# KiCad board RP2040-Breadstick Panel.kicad_pcb (continued)
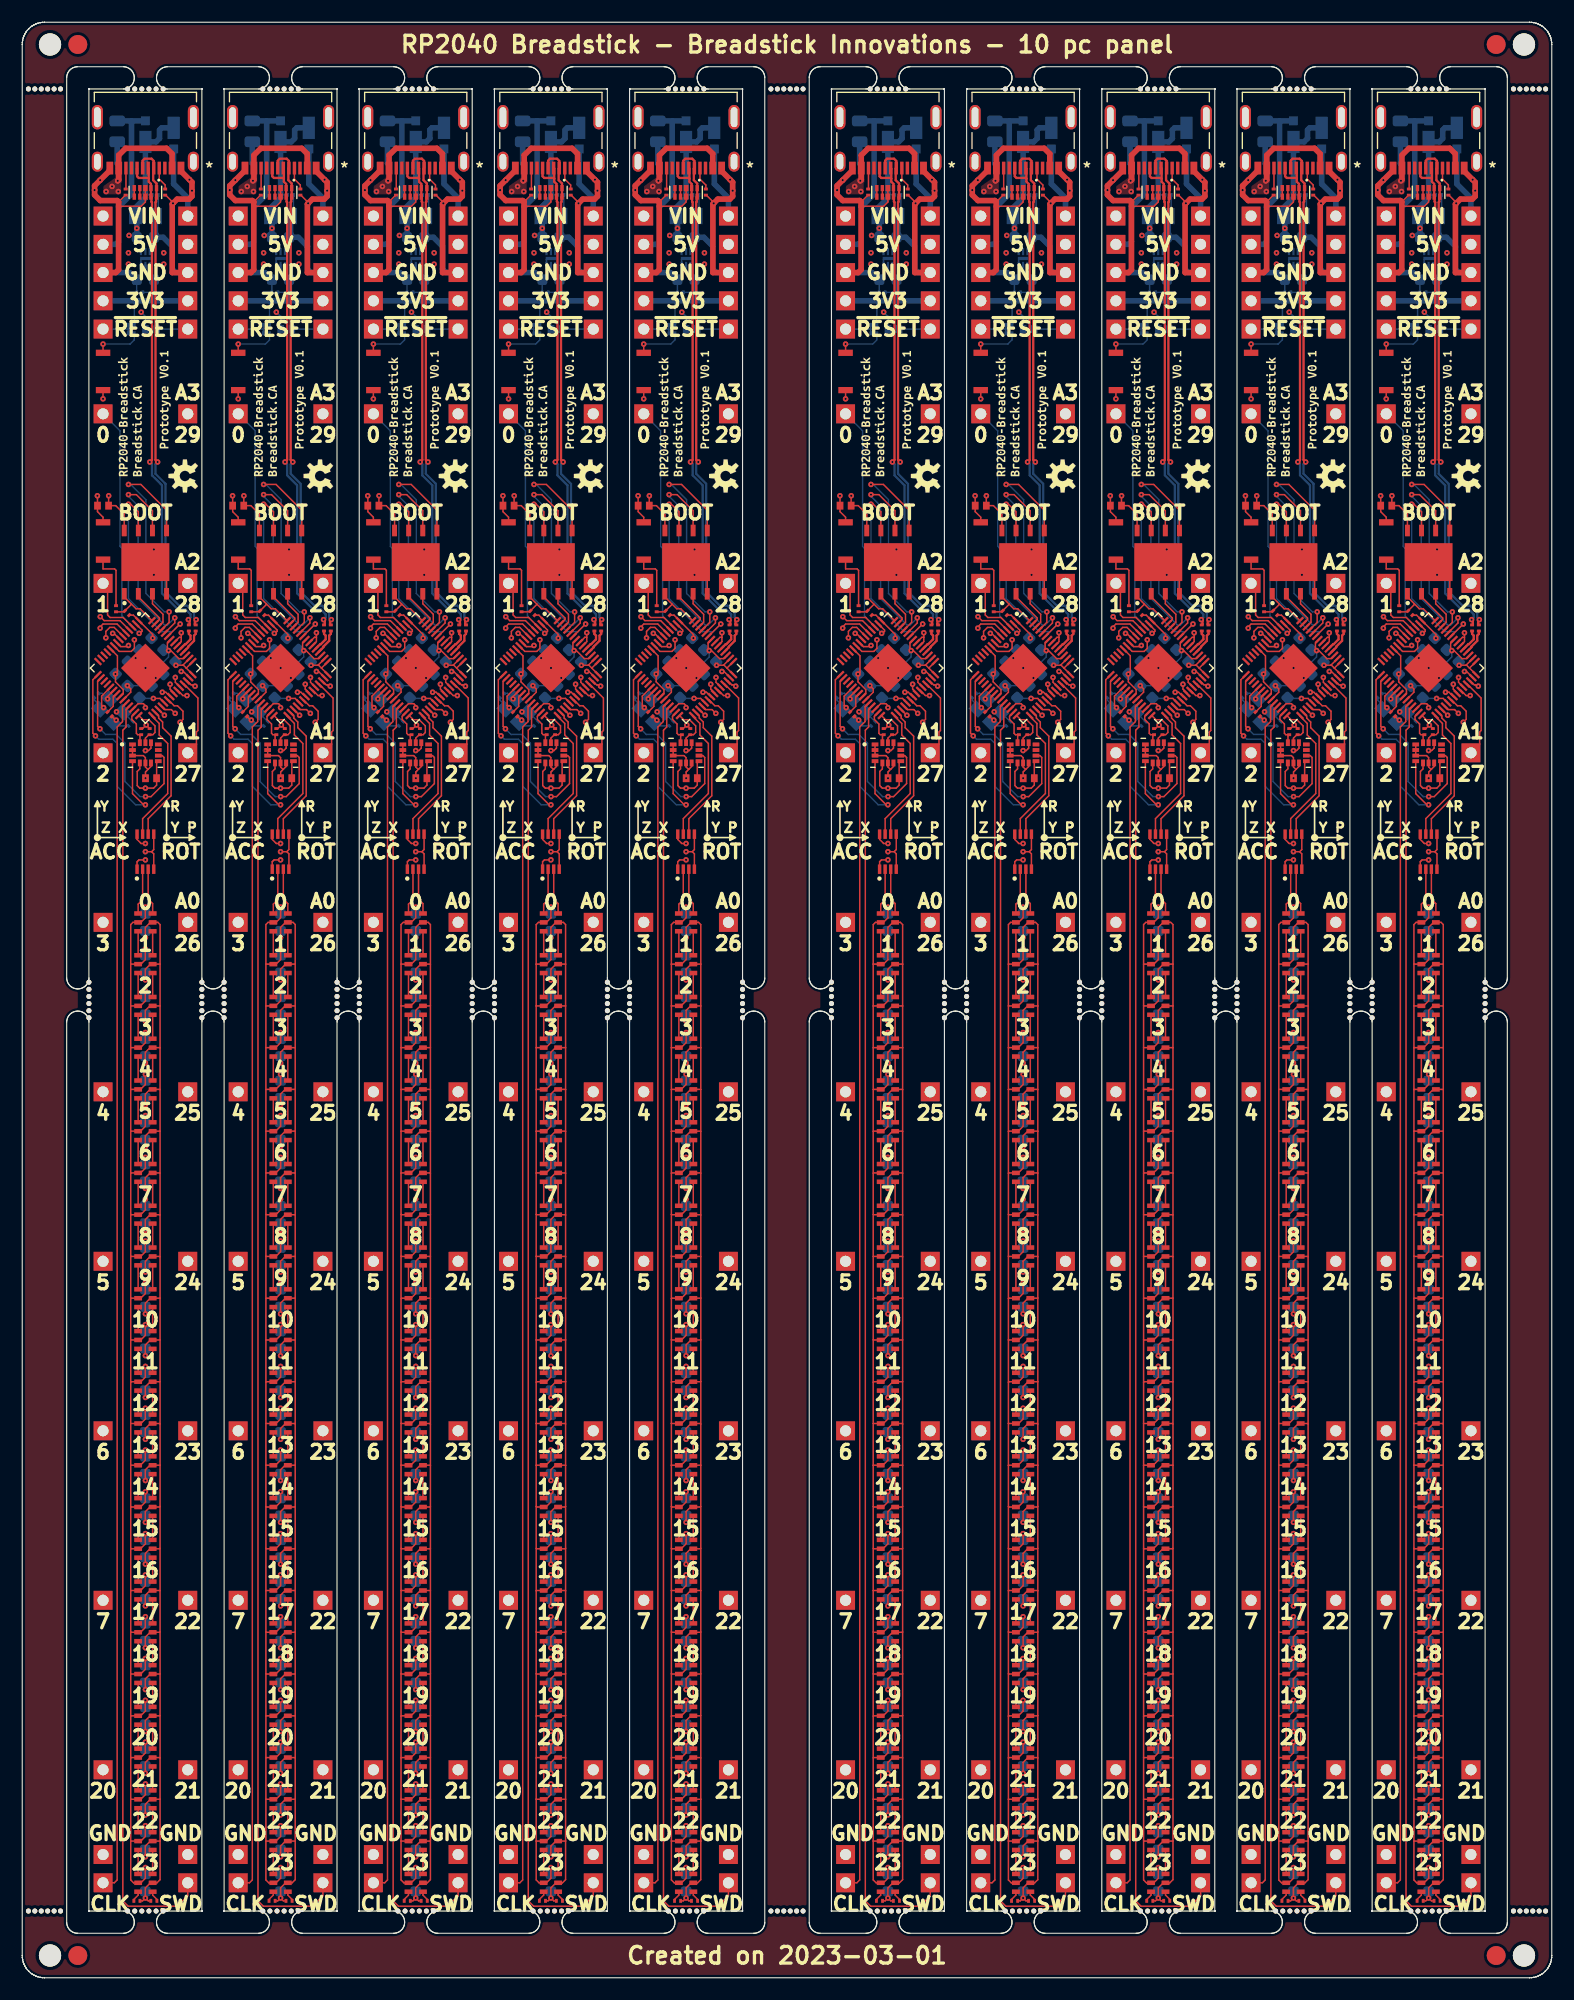
[diagram p0: board, top side]
## Placement (name value [footprint] x y rotation side) (continued)
J505#6  Conn_01x01  [PinHeader_1x01_P2.54mm_Vertical]  55.91 153.32 180 bottom
J505#7  Conn_01x01  [PinHeader_1x01_P2.54mm_Vertical]  74.07 153.32 180 bottom
J505#8  Conn_01x01  [PinHeader_1x01_P2.54mm_Vertical]  122.71 153.32 180 bottom
J505#9  Conn_01x01  [PinHeader_1x01_P2.54mm_Vertical]  7.27 153.32 180 bottom
J505#10  Conn_01x01  [PinHeader_1x01_P2.54mm_Vertical]  43.75 153.32 180 bottom
J506  Conn_01x01  [PinHeader_1x01_P2.54mm_Vertical]  93.85 153.32 180 bottom
J506#2  Conn_01x01  [PinHeader_1x01_P2.54mm_Vertical]  81.69 153.32 180 bottom
J506#3  Conn_01x01  [PinHeader_1x01_P2.54mm_Vertical]  130.33 153.32 180 bottom
J506#4  Conn_01x01  [PinHeader_1x01_P2.54mm_Vertical]  39.21 153.32 180 bottom
J506#5  Conn_01x01  [PinHeader_1x01_P2.54mm_Vertical]  106.01 153.32 180 bottom
J506#6  Conn_01x01  [PinHeader_1x01_P2.54mm_Vertical]  14.89 153.32 180 bottom
J506#7  Conn_01x01  [PinHeader_1x01_P2.54mm_Vertical]  118.17 153.32 180 bottom
J506#8  Conn_01x01  [PinHeader_1x01_P2.54mm_Vertical]  51.37 153.32 180 bottom
J506#9  Conn_01x01  [PinHeader_1x01_P2.54mm_Vertical]  63.53 153.32 180 bottom
J506#10  Conn_01x01  [PinHeader_1x01_P2.54mm_Vertical]  27.05 153.32 180 bottom
J507  Conn_01x01  [PinHeader_1x01_P2.54mm_Vertical]  51.37 150.78 180 bottom
J507#2  Conn_01x01  [PinHeader_1x01_P2.54mm_Vertical]  106.01 150.78 180 bottom
J507#3  Conn_01x01  [PinHeader_1x01_P2.54mm_Vertical]  81.69 150.78 180 bottom
J507#4  Conn_01x01  [PinHeader_1x01_P2.54mm_Vertical]  27.05 150.78 180 bottom
J507#5  Conn_01x01  [PinHeader_1x01_P2.54mm_Vertical]  14.89 150.78 180 bottom
J507#6  Conn_01x01  [PinHeader_1x01_P2.54mm_Vertical]  63.53 150.78 180 bottom
J507#7  Conn_01x01  [PinHeader_1x01_P2.54mm_Vertical]  118.17 150.78 180 bottom
J507#8  Conn_01x01  [PinHeader_1x01_P2.54mm_Vertical]  130.33 150.78 180 bottom
J507#9  Conn_01x01  [PinHeader_1x01_P2.54mm_Vertical]  93.85 150.78 180 bottom
J507#10  Conn_01x01  [PinHeader_1x01_P2.54mm_Vertical]  39.21 150.78 180 bottom
J508  Conn_01x01  [PinHeader_1x01_P2.54mm_Vertical]  55.91 150.78 180 bottom
J508#2  Conn_01x01  [PinHeader_1x01_P2.54mm_Vertical]  110.55 150.78 180 bottom
J508#3  Conn_01x01  [PinHeader_1x01_P2.54mm_Vertical]  74.07 150.78 180 bottom
J508#4  Conn_01x01  [PinHeader_1x01_P2.54mm_Vertical]  43.75 150.78 180 bottom
J508#5  Conn_01x01  [PinHeader_1x01_P2.54mm_Vertical]  86.23 150.78 180 bottom
J508#6  Conn_01x01  [PinHeader_1x01_P2.54mm_Vertical]  122.71 150.78 180 bottom
J508#7  Conn_01x01  [PinHeader_1x01_P2.54mm_Vertical]  31.59 150.78 180 bottom
J508#8  Conn_01x01  [PinHeader_1x01_P2.54mm_Vertical]  98.39 150.78 180 bottom
J508#9  Conn_01x01  [PinHeader_1x01_P2.54mm_Vertical]  7.27 150.78 180 bottom
J508#10  Conn_01x01  [PinHeader_1x01_P2.54mm_Vertical]  19.43 150.78 180 bottom
J509  Conn_01x01  [PinHeader_1x01_P2.54mm_Vertical]  14.89 11.08 180 bottom
J509#2  Conn_01x01  [PinHeader_1x01_P2.54mm_Vertical]  51.37 11.08 180 bottom
J509#3  Conn_01x01  [PinHeader_1x01_P2.54mm_Vertical]  39.21 11.08 180 bottom
J509#4  Conn_01x01  [PinHeader_1x01_P2.54mm_Vertical]  27.05 11.08 180 bottom
J509#5  Conn_01x01  [PinHeader_1x01_P2.54mm_Vertical]  106.01 11.08 180 bottom
J509#6  Conn_01x01  [PinHeader_1x01_P2.54mm_Vertical]  118.17 11.08 180 bottom
J509#7  Conn_01x01  [PinHeader_1x01_P2.54mm_Vertical]  81.69 11.08 180 bottom
J509#8  Conn_01x01  [PinHeader_1x01_P2.54mm_Vertical]  63.53 11.08 180 bottom
J509#9  Conn_01x01  [PinHeader_1x01_P2.54mm_Vertical]  130.33 11.08 180 bottom
J509#10  Conn_01x01  [PinHeader_1x01_P2.54mm_Vertical]  93.85 11.08 180 bottom
J510  Conn_01x01  [PinHeader_1x01_P2.54mm_Vertical]  19.43 11.08 180 bottom
J510#2  Conn_01x01  [PinHeader_1x01_P2.54mm_Vertical]  55.91 11.08 180 bottom
J510#3  Conn_01x01  [PinHeader_1x01_P2.54mm_Vertical]  86.23 11.08 180 bottom
J510#4  Conn_01x01  [PinHeader_1x01_P2.54mm_Vertical]  98.39 11.08 180 bottom
J510#5  Conn_01x01  [PinHeader_1x01_P2.54mm_Vertical]  122.71 11.08 180 bottom
J510#6  Conn_01x01  [PinHeader_1x01_P2.54mm_Vertical]  110.55 11.08 180 bottom
J510#7  Conn_01x01  [PinHeader_1x01_P2.54mm_Vertical]  43.75 11.08 180 bottom
J510#8  Conn_01x01  [PinHeader_1x01_P2.54mm_Vertical]  31.59 11.08 180 bottom
J510#9  Conn_01x01  [PinHeader_1x01_P2.54mm_Vertical]  7.27 11.08 180 bottom
J510#10  Conn_01x01  [PinHeader_1x01_P2.54mm_Vertical]  74.07 11.08 180 bottom
kibuzzard-63FD96C7  G***  [kibuzzard-63FD96C7]  100.17 140.37 90 top
kibuzzard-63FD96C7#2  G***  [kibuzzard-63FD96C7]  75.85 140.37 90 top
kibuzzard-63FD96C7#3  G***  [kibuzzard-63FD96C7]  33.37 140.37 90 top
kibuzzard-63FD96C7#4  G***  [kibuzzard-63FD96C7]  112.33 140.37 90 top
kibuzzard-63FD96C7#5  G***  [kibuzzard-63FD96C7]  124.49 140.37 90 top
kibuzzard-63FD96C7#6  G***  [kibuzzard-63FD96C7]  88.01 140.37 90 top
kibuzzard-63FD96C7#7  G***  [kibuzzard-63FD96C7]  9.05 140.37 90 top
kibuzzard-63FD96C7#8  G***  [kibuzzard-63FD96C7]  21.21 140.37 90 top
kibuzzard-63FD96C7#9  G***  [kibuzzard-63FD96C7]  45.53 140.37 90 top
kibuzzard-63FD96C7#10  G***  [kibuzzard-63FD96C7]  57.69 140.37 90 top
kibuzzard-63FD96DD  G***  [kibuzzard-63FD96DD]  113.6 139.1 90 top
kibuzzard-63FD96DD#2  G***  [kibuzzard-63FD96DD]  101.44 139.1 90 top
kibuzzard-63FD96DD#3  G***  [kibuzzard-63FD96DD]  10.32 139.1 90 top
kibuzzard-63FD96DD#4  G***  [kibuzzard-63FD96DD]  125.76 139.1 90 top
kibuzzard-63FD96DD#5  G***  [kibuzzard-63FD96DD]  77.12 139.1 90 top
kibuzzard-63FD96DD#6  G***  [kibuzzard-63FD96DD]  34.64 139.1 90 top
kibuzzard-63FD96DD#7  G***  [kibuzzard-63FD96DD]  89.28 139.1 90 top
kibuzzard-63FD96DD#8  G***  [kibuzzard-63FD96DD]  58.96 139.1 90 top
kibuzzard-63FD96DD#9  G***  [kibuzzard-63FD96DD]  46.8 139.1 90 top
kibuzzard-63FD96DD#10  G***  [kibuzzard-63FD96DD]  22.48 139.1 90 top
kibuzzard-63FD96F9  G***  [kibuzzard-63FD96F9]  12.86 141.89 90 top
kibuzzard-63FD96F9#2  G***  [kibuzzard-63FD96F9]  91.82 141.89 90 top
kibuzzard-63FD96F9#3  G***  [kibuzzard-63FD96F9]  61.5 141.89 90 top
kibuzzard-63FD96F9#4  G***  [kibuzzard-63FD96F9]  79.66 141.89 90 top
kibuzzard-63FD96F9#5  G***  [kibuzzard-63FD96F9]  49.34 141.89 90 top
kibuzzard-63FD96F9#6  G***  [kibuzzard-63FD96F9]  25.02 141.89 90 top
kibuzzard-63FD96F9#7  G***  [kibuzzard-63FD96F9]  37.18 141.89 90 top
kibuzzard-63FD96F9#8  G***  [kibuzzard-63FD96F9]  103.98 141.89 90 top
kibuzzard-63FD96F9#9  G***  [kibuzzard-63FD96F9]  128.3 141.89 90 top
kibuzzard-63FD96F9#10  G***  [kibuzzard-63FD96F9]  116.14 141.89 90 top
LED301  SK9822  [SK9822-2020]  48.21 94.1 180 top
LED301#2  SK9822  [SK9822-2020]  60.37 94.1 180 top
LED301#3  SK9822  [SK9822-2020]  11.73 94.1 180 top
LED301#4  SK9822  [SK9822-2020]  36.05 94.1 180 top
LED301#5  SK9822  [SK9822-2020]  23.89 94.1 180 top
LED301#6  SK9822  [SK9822-2020]  102.85 94.1 180 top
LED301#7  SK9822  [SK9822-2020]  127.17 94.1 180 top
LED301#8  SK9822  [SK9822-2020]  90.69 94.1 180 top
LED301#9  SK9822  [SK9822-2020]  78.53 94.1 180 top
LED301#10  SK9822  [SK9822-2020]  115.01 94.1 180 top
LED302  SK9822  [SK9822-2020]  90.69 90.34 180 top
LED302#2  SK9822  [SK9822-2020]  60.37 90.34 180 top
LED302#3  SK9822  [SK9822-2020]  115.01 90.34 180 top
LED302#4  SK9822  [SK9822-2020]  23.89 90.34 180 top
LED302#5  SK9822  [SK9822-2020]  127.17 90.34 180 top
LED302#6  SK9822  [SK9822-2020]  102.85 90.34 180 top
LED302#7  SK9822  [SK9822-2020]  48.21 90.34 180 top
LED302#8  SK9822  [SK9822-2020]  78.53 90.34 180 top
LED302#9  SK9822  [SK9822-2020]  11.73 90.34 180 top
LED302#10  SK9822  [SK9822-2020]  36.05 90.34 180 top
LED303  SK9822  [SK9822-2020]  23.89 86.59 180 top
LED303#2  SK9822  [SK9822-2020]  36.05 86.59 180 top
LED303#3  SK9822  [SK9822-2020]  78.53 86.59 180 top
LED303#4  SK9822  [SK9822-2020]  90.69 86.59 180 top
LED303#5  SK9822  [SK9822-2020]  115.01 86.59 180 top
LED303#6  SK9822  [SK9822-2020]  60.37 86.59 180 top
LED303#7  SK9822  [SK9822-2020]  48.21 86.59 180 top
LED303#8  SK9822  [SK9822-2020]  127.17 86.59 180 top
LED303#9  SK9822  [SK9822-2020]  102.85 86.59 180 top
LED303#10  SK9822  [SK9822-2020]  11.73 86.59 180 top
LED304  SK9822  [SK9822-2020]  78.53 82.83 180 top
LED304#2  SK9822  [SK9822-2020]  60.37 82.83 180 top
LED304#3  SK9822  [SK9822-2020]  115.01 82.83 180 top
LED304#4  SK9822  [SK9822-2020]  36.05 82.83 180 top
LED304#5  SK9822  [SK9822-2020]  90.69 82.83 180 top
LED304#6  SK9822  [SK9822-2020]  102.85 82.83 180 top
LED304#7  SK9822  [SK9822-2020]  11.73 82.83 180 top
LED304#8  SK9822  [SK9822-2020]  48.21 82.83 180 top
LED304#9  SK9822  [SK9822-2020]  127.17 82.83 180 top
LED304#10  SK9822  [SK9822-2020]  23.89 82.83 180 top
LED305  SK9822  [SK9822-2020]  23.89 79.08 180 top
LED305#2  SK9822  [SK9822-2020]  78.53 79.08 180 top
LED305#3  SK9822  [SK9822-2020]  115.01 79.08 180 top
LED305#4  SK9822  [SK9822-2020]  127.17 79.08 180 top
LED305#5  SK9822  [SK9822-2020]  48.21 79.08 180 top
LED305#6  SK9822  [SK9822-2020]  102.85 79.08 180 top
LED305#7  SK9822  [SK9822-2020]  36.05 79.08 180 top
LED305#8  SK9822  [SK9822-2020]  90.69 79.08 180 top
LED305#9  SK9822  [SK9822-2020]  11.73 79.08 180 top
LED305#10  SK9822  [SK9822-2020]  60.37 79.08 180 top
LED306  SK9822  [SK9822-2020]  102.85 75.32 180 top
LED306#2  SK9822  [SK9822-2020]  90.69 75.32 180 top
LED306#3  SK9822  [SK9822-2020]  48.21 75.32 180 top
LED306#4  SK9822  [SK9822-2020]  78.53 75.32 180 top
LED306#5  SK9822  [SK9822-2020]  11.73 75.32 180 top
LED306#6  SK9822  [SK9822-2020]  115.01 75.32 180 top
LED306#7  SK9822  [SK9822-2020]  127.17 75.32 180 top
LED306#8  SK9822  [SK9822-2020]  36.05 75.32 180 top
LED306#9  SK9822  [SK9822-2020]  23.89 75.32 180 top
LED306#10  SK9822  [SK9822-2020]  60.37 75.32 180 top
LED307  SK9822  [SK9822-2020]  90.69 71.57 180 top
LED307#2  SK9822  [SK9822-2020]  36.05 71.57 180 top
LED307#3  SK9822  [SK9822-2020]  60.37 71.57 180 top
LED307#4  SK9822  [SK9822-2020]  48.21 71.57 180 top
LED307#5  SK9822  [SK9822-2020]  23.89 71.57 180 top
LED307#6  SK9822  [SK9822-2020]  11.73 71.57 180 top
LED307#7  SK9822  [SK9822-2020]  115.01 71.57 180 top
LED307#8  SK9822  [SK9822-2020]  127.17 71.57 180 top
LED307#9  SK9822  [SK9822-2020]  78.53 71.57 180 top
LED307#10  SK9822  [SK9822-2020]  102.85 71.57 180 top
LED308  SK9822  [SK9822-2020]  36.05 67.81 180 top
LED308#2  SK9822  [SK9822-2020]  48.21 67.81 180 top
LED308#3  SK9822  [SK9822-2020]  60.37 67.81 180 top
LED308#4  SK9822  [SK9822-2020]  11.73 67.81 180 top
LED308#5  SK9822  [SK9822-2020]  102.85 67.81 180 top
LED308#6  SK9822  [SK9822-2020]  78.53 67.81 180 top
LED308#7  SK9822  [SK9822-2020]  127.17 67.81 180 top
LED308#8  SK9822  [SK9822-2020]  90.69 67.81 180 top
LED308#9  SK9822  [SK9822-2020]  115.01 67.81 180 top
LED308#10  SK9822  [SK9822-2020]  23.89 67.81 180 top
LED309  SK9822  [SK9822-2020]  102.85 64.06 180 top
LED309#2  SK9822  [SK9822-2020]  90.69 64.06 180 top
LED309#3  SK9822  [SK9822-2020]  78.53 64.06 180 top
LED309#4  SK9822  [SK9822-2020]  60.37 64.06 180 top
LED309#5  SK9822  [SK9822-2020]  127.17 64.06 180 top
LED309#6  SK9822  [SK9822-2020]  11.73 64.06 180 top
LED309#7  SK9822  [SK9822-2020]  23.89 64.06 180 top
LED309#8  SK9822  [SK9822-2020]  48.21 64.06 180 top
LED309#9  SK9822  [SK9822-2020]  36.05 64.06 180 top
LED309#10  SK9822  [SK9822-2020]  115.01 64.06 180 top
LED310  SK9822  [SK9822-2020]  11.73 60.3 180 top
LED310#2  SK9822  [SK9822-2020]  127.17 60.3 180 top
LED310#3  SK9822  [SK9822-2020]  102.85 60.3 180 top
LED310#4  SK9822  [SK9822-2020]  90.69 60.3 180 top
LED310#5  SK9822  [SK9822-2020]  60.37 60.3 180 top
LED310#6  SK9822  [SK9822-2020]  78.53 60.3 180 top
LED310#7  SK9822  [SK9822-2020]  23.89 60.3 180 top
LED310#8  SK9822  [SK9822-2020]  48.21 60.3 180 top
LED310#9  SK9822  [SK9822-2020]  36.05 60.3 180 top
LED310#10  SK9822  [SK9822-2020]  115.01 60.3 180 top
LED311  SK9822  [SK9822-2020]  78.53 56.55 180 top
LED311#2  SK9822  [SK9822-2020]  23.89 56.55 180 top
LED311#3  SK9822  [SK9822-2020]  60.37 56.55 180 top
LED311#4  SK9822  [SK9822-2020]  127.17 56.55 180 top
LED311#5  SK9822  [SK9822-2020]  115.01 56.55 180 top
LED311#6  SK9822  [SK9822-2020]  11.73 56.55 180 top
LED311#7  SK9822  [SK9822-2020]  36.05 56.55 180 top
LED311#8  SK9822  [SK9822-2020]  48.21 56.55 180 top
LED311#9  SK9822  [SK9822-2020]  90.69 56.55 180 top
LED311#10  SK9822  [SK9822-2020]  102.85 56.55 180 top
LED312  SK9822  [SK9822-2020]  102.85 52.79 180 top
LED312#2  SK9822  [SK9822-2020]  127.17 52.79 180 top
LED312#3  SK9822  [SK9822-2020]  78.53 52.79 180 top
LED312#4  SK9822  [SK9822-2020]  48.21 52.79 180 top
LED312#5  SK9822  [SK9822-2020]  36.05 52.79 180 top
LED312#6  SK9822  [SK9822-2020]  115.01 52.79 180 top
LED312#7  SK9822  [SK9822-2020]  11.73 52.79 180 top
LED312#8  SK9822  [SK9822-2020]  90.69 52.79 180 top
LED312#9  SK9822  [SK9822-2020]  23.89 52.79 180 top
LED312#10  SK9822  [SK9822-2020]  60.37 52.79 180 top
LED313  SK9822  [SK9822-2020]  48.21 49.04 180 top
LED313#2  SK9822  [SK9822-2020]  115.01 49.04 180 top
LED313#3  SK9822  [SK9822-2020]  102.85 49.04 180 top
LED313#4  SK9822  [SK9822-2020]  90.69 49.04 180 top
LED313#5  SK9822  [SK9822-2020]  11.73 49.04 180 top
LED313#6  SK9822  [SK9822-2020]  60.37 49.04 180 top
LED313#7  SK9822  [SK9822-2020]  23.89 49.04 180 top
LED313#8  SK9822  [SK9822-2020]  36.05 49.04 180 top
LED313#9  SK9822  [SK9822-2020]  78.53 49.04 180 top
LED313#10  SK9822  [SK9822-2020]  127.17 49.04 180 top
LED314  SK9822  [SK9822-2020]  102.85 45.28 180 top
LED314#2  SK9822  [SK9822-2020]  90.69 45.28 180 top
LED314#3  SK9822  [SK9822-2020]  78.53 45.28 180 top
LED314#4  SK9822  [SK9822-2020]  36.05 45.28 180 top
LED314#5  SK9822  [SK9822-2020]  11.73 45.28 180 top
LED314#6  SK9822  [SK9822-2020]  115.01 45.28 180 top
LED314#7  SK9822  [SK9822-2020]  127.17 45.28 180 top
LED314#8  SK9822  [SK9822-2020]  48.21 45.28 180 top
LED314#9  SK9822  [SK9822-2020]  23.89 45.28 180 top
LED314#10  SK9822  [SK9822-2020]  60.37 45.28 180 top
LED315  SK9822  [SK9822-2020]  23.89 41.53 180 top
LED315#2  SK9822  [SK9822-2020]  90.69 41.53 180 top
LED315#3  SK9822  [SK9822-2020]  115.01 41.53 180 top
LED315#4  SK9822  [SK9822-2020]  102.85 41.53 180 top
LED315#5  SK9822  [SK9822-2020]  127.17 41.53 180 top
LED315#6  SK9822  [SK9822-2020]  60.37 41.53 180 top
LED315#7  SK9822  [SK9822-2020]  36.05 41.53 180 top
LED315#8  SK9822  [SK9822-2020]  78.53 41.53 180 top
LED315#9  SK9822  [SK9822-2020]  48.21 41.53 180 top
LED315#10  SK9822  [SK9822-2020]  11.73 41.53 180 top
LED316  SK9822  [SK9822-2020]  11.73 37.77 180 top
LED316#2  SK9822  [SK9822-2020]  78.53 37.77 180 top
LED316#3  SK9822  [SK9822-2020]  36.05 37.77 180 top
LED316#4  SK9822  [SK9822-2020]  60.37 37.77 180 top
LED316#5  SK9822  [SK9822-2020]  48.21 37.77 180 top
LED316#6  SK9822  [SK9822-2020]  102.85 37.77 180 top
LED316#7  SK9822  [SK9822-2020]  115.01 37.77 180 top
LED316#8  SK9822  [SK9822-2020]  127.17 37.77 180 top
LED316#9  SK9822  [SK9822-2020]  90.69 37.77 180 top
LED316#10  SK9822  [SK9822-2020]  23.89 37.77 180 top
LED317  SK9822  [SK9822-2020]  23.89 34.02 180 top
LED317#2  SK9822  [SK9822-2020]  115.01 34.02 180 top
LED317#3  SK9822  [SK9822-2020]  78.53 34.02 180 top
LED317#4  SK9822  [SK9822-2020]  36.05 34.02 180 top
LED317#5  SK9822  [SK9822-2020]  60.37 34.02 180 top
LED317#6  SK9822  [SK9822-2020]  48.21 34.02 180 top
LED317#7  SK9822  [SK9822-2020]  11.73 34.02 180 top
LED317#8  SK9822  [SK9822-2020]  90.69 34.02 180 top
LED317#9  SK9822  [SK9822-2020]  102.85 34.02 180 top
LED317#10  SK9822  [SK9822-2020]  127.17 34.02 180 top
LED318  SK9822  [SK9822-2020]  127.17 30.26 180 top
LED318#2  SK9822  [SK9822-2020]  115.01 30.26 180 top
LED318#3  SK9822  [SK9822-2020]  90.69 30.26 180 top
LED318#4  SK9822  [SK9822-2020]  78.53 30.26 180 top
LED318#5  SK9822  [SK9822-2020]  11.73 30.26 180 top
LED318#6  SK9822  [SK9822-2020]  36.05 30.26 180 top
LED318#7  SK9822  [SK9822-2020]  48.21 30.26 180 top
LED318#8  SK9822  [SK9822-2020]  23.89 30.26 180 top
LED318#9  SK9822  [SK9822-2020]  60.37 30.26 180 top
LED318#10  SK9822  [SK9822-2020]  102.85 30.26 180 top
LED319  SK9822  [SK9822-2020]  48.21 26.51 180 top
LED319#2  SK9822  [SK9822-2020]  36.05 26.51 180 top
LED319#3  SK9822  [SK9822-2020]  90.69 26.51 180 top
LED319#4  SK9822  [SK9822-2020]  23.89 26.51 180 top
LED319#5  SK9822  [SK9822-2020]  11.73 26.51 180 top
LED319#6  SK9822  [SK9822-2020]  127.17 26.51 180 top
LED319#7  SK9822  [SK9822-2020]  78.53 26.51 180 top
LED319#8  SK9822  [SK9822-2020]  60.37 26.51 180 top
LED319#9  SK9822  [SK9822-2020]  102.85 26.51 180 top
LED319#10  SK9822  [SK9822-2020]  115.01 26.51 180 top
LED320  SK9822  [SK9822-2020]  60.37 22.75 180 top
LED320#2  SK9822  [SK9822-2020]  78.53 22.75 180 top
LED320#3  SK9822  [SK9822-2020]  115.01 22.75 180 top
LED320#4  SK9822  [SK9822-2020]  102.85 22.75 180 top
LED320#5  SK9822  [SK9822-2020]  48.21 22.75 180 top
LED320#6  SK9822  [SK9822-2020]  11.73 22.75 180 top
LED320#7  SK9822  [SK9822-2020]  36.05 22.75 180 top
LED320#8  SK9822  [SK9822-2020]  23.89 22.75 180 top
LED320#9  SK9822  [SK9822-2020]  90.69 22.75 180 top
LED320#10  SK9822  [SK9822-2020]  127.17 22.75 180 top
LED321  SK9822  [SK9822-2020]  78.53 19 180 top
LED321#2  SK9822  [SK9822-2020]  127.17 19 180 top
LED321#3  SK9822  [SK9822-2020]  60.37 19 180 top
LED321#4  SK9822  [SK9822-2020]  36.05 19 180 top
LED321#5  SK9822  [SK9822-2020]  48.21 19 180 top
LED321#6  SK9822  [SK9822-2020]  102.85 19 180 top
LED321#7  SK9822  [SK9822-2020]  115.01 19 180 top
LED321#8  SK9822  [SK9822-2020]  23.89 19 180 top
LED321#9  SK9822  [SK9822-2020]  90.69 19 180 top
LED321#10  SK9822  [SK9822-2020]  11.73 19 180 top
LED322  SK9822  [SK9822-2020]  48.21 15.24 180 top
LED322#2  SK9822  [SK9822-2020]  60.37 15.24 180 top
LED322#3  SK9822  [SK9822-2020]  23.89 15.24 180 top
LED322#4  SK9822  [SK9822-2020]  127.17 15.24 180 top
LED322#5  SK9822  [SK9822-2020]  78.53 15.24 180 top
LED322#6  SK9822  [SK9822-2020]  36.05 15.24 180 top
LED322#7  SK9822  [SK9822-2020]  102.85 15.24 180 top
LED322#8  SK9822  [SK9822-2020]  115.01 15.24 180 top
LED322#9  SK9822  [SK9822-2020]  11.73 15.24 180 top
LED322#10  SK9822  [SK9822-2020]  90.69 15.24 180 top
LED323  SK9822  [SK9822-2020]  90.69 11.49 180 top
LED323#2  SK9822  [SK9822-2020]  78.53 11.49 180 top
LED323#3  SK9822  [SK9822-2020]  11.73 11.49 180 top
LED323#4  SK9822  [SK9822-2020]  115.01 11.49 180 top
LED323#5  SK9822  [SK9822-2020]  23.89 11.49 180 top
LED323#6  SK9822  [SK9822-2020]  127.17 11.49 180 top
LED323#7  SK9822  [SK9822-2020]  102.85 11.49 180 top
LED323#8  SK9822  [SK9822-2020]  36.05 11.49 180 top
LED323#9  SK9822  [SK9822-2020]  60.37 11.49 180 top
LED323#10  SK9822  [SK9822-2020]  48.21 11.49 180 top
LED324  SK9822  [SK9822-2020]  11.73 7.74 180 top
LED324#2  SK9822  [SK9822-2020]  60.37 7.74 180 top
LED324#3  SK9822  [SK9822-2020]  115.01 7.74 180 top
LED324#4  SK9822  [SK9822-2020]  127.17 7.74 180 top
LED324#5  SK9822  [SK9822-2020]  23.89 7.74 180 top
LED324#6  SK9822  [SK9822-2020]  78.53 7.74 180 top
LED324#7  SK9822  [SK9822-2020]  90.69 7.74 180 top
LED324#8  SK9822  [SK9822-2020]  48.21 7.74 180 top
LED324#9  SK9822  [SK9822-2020]  36.05 7.74 180 top
LED324#10  SK9822  [SK9822-2020]  102.85 7.74 180 top
NOREF  -  [OSHW-LOGO-S]  130.08 135.03 90 top
NOREF#2  -  [OSHW-LOGO-S]  81.44 135.03 90 top
NOREF#3  -  [OSHW-LOGO-S]  51.12 135.03 90 top
NOREF#4  -  [OSHW-LOGO-S]  38.96 135.03 90 top
NOREF#5  -  [OSHW-LOGO-S]  26.8 135.03 90 top
NOREF#6  -  [OSHW-LOGO-S]  117.92 135.03 90 top
NOREF#7  -  [OSHW-LOGO-S]  105.76 135.03 90 top
NOREF#8  -  [OSHW-LOGO-S]  93.6 135.03 90 top
NOREF#9  -  [OSHW-LOGO-S]  63.28 135.03 90 top
NOREF#10  -  [OSHW-LOGO-S]  14.64 135.03 90 top
R201  1k 0201  [Perfect_0201_Resistor]  56.5 113.61 225 top
R201#2  1k 0201  [Perfect_0201_Resistor]  20.02 113.61 225 top
R201#3  1k 0201  [Perfect_0201_Resistor]  32.18 113.61 225 top
R201#4  1k 0201  [Perfect_0201_Resistor]  44.34 113.61 225 top
R201#5  1k 0201  [Perfect_0201_Resistor]  7.86 113.61 225 top
R201#6  1k 0201  [Perfect_0201_Resistor]  86.82 113.61 225 top
R201#7  1k 0201  [Perfect_0201_Resistor]  74.66 113.61 225 top
R201#8  1k 0201  [Perfect_0201_Resistor]  111.14 113.61 225 top
R201#9  1k 0201  [Perfect_0201_Resistor]  123.3 113.61 225 top
R201#10  1k 0201  [Perfect_0201_Resistor]  98.98 113.61 225 top
R202  27Ω 0201  [Perfect_0201_Resistor]  131.04 121.37 180 top
R202#2  27Ω 0201  [Perfect_0201_Resistor]  94.56 121.37 180 top
R202#3  27Ω 0201  [Perfect_0201_Resistor]  64.24 121.37 180 top
R202#4  27Ω 0201  [Perfect_0201_Resistor]  118.88 121.37 180 top
R202#5  27Ω 0201  [Perfect_0201_Resistor]  106.72 121.37 180 top
R202#6  27Ω 0201  [Perfect_0201_Resistor]  15.6 121.37 180 top
R202#7  27Ω 0201  [Perfect_0201_Resistor]  82.4 121.37 180 top
R202#8  27Ω 0201  [Perfect_0201_Resistor]  39.92 121.37 180 top
R202#9  27Ω 0201  [Perfect_0201_Resistor]  52.08 121.37 180 top
R202#10  27Ω 0201  [Perfect_0201_Resistor]  27.76 121.37 180 top
R203  27Ω 0201  [Perfect_0201_Resistor]  118.27 121.37 180 top
R203#2  27Ω 0201  [Perfect_0201_Resistor]  106.11 121.37 180 top
R203#3  27Ω 0201  [Perfect_0201_Resistor]  51.47 121.37 180 top
R203#4  27Ω 0201  [Perfect_0201_Resistor]  14.99 121.37 180 top
R203#5  27Ω 0201  [Perfect_0201_Resistor]  63.63 121.37 180 top
R203#6  27Ω 0201  [Perfect_0201_Resistor]  81.79 121.37 180 top
R203#7  27Ω 0201  [Perfect_0201_Resistor]  93.95 121.37 180 top
R203#8  27Ω 0201  [Perfect_0201_Resistor]  130.43 121.37 180 top
R203#9  27Ω 0201  [Perfect_0201_Resistor]  39.31 121.37 180 top
R203#10  27Ω 0201  [Perfect_0201_Resistor]  27.15 121.37 180 top
R204  1k 0201  [Perfect_0201_Resistor]  87.4 123.09 0 top
R204#2  1k 0201  [Perfect_0201_Resistor]  75.24 123.09 0 top
R204#3  1k 0201  [Perfect_0201_Resistor]  20.6 123.09 0 top
R204#4  1k 0201  [Perfect_0201_Resistor]  44.92 123.09 0 top
R204#5  1k 0201  [Perfect_0201_Resistor]  32.76 123.09 0 top
R204#6  1k 0201  [Perfect_0201_Resistor]  57.08 123.09 0 top
R204#7  1k 0201  [Perfect_0201_Resistor]  8.44 123.09 0 top
R204#8  1k 0201  [Perfect_0201_Resistor]  99.56 123.09 0 top
R204#9  1k 0201  [Perfect_0201_Resistor]  111.72 123.09 0 top
R204#10  1k 0201  [Perfect_0201_Resistor]  123.88 123.09 0 top
R205  10k 0201  [Perfect_0201_Resistor]  58.07 122.71 225 top
R205#2  10k 0201  [Perfect_0201_Resistor]  76.23 122.71 225 top
R205#3  10k 0201  [Perfect_0201_Resistor]  9.43 122.71 225 top
R205#4  10k 0201  [Perfect_0201_Resistor]  100.55 122.71 225 top
R205#5  10k 0201  [Perfect_0201_Resistor]  112.71 122.71 225 top
R205#6  10k 0201  [Perfect_0201_Resistor]  88.39 122.71 225 top
R205#7  10k 0201  [Perfect_0201_Resistor]  33.75 122.71 225 top
R205#8  10k 0201  [Perfect_0201_Resistor]  45.91 122.71 225 top
R205#9  10k 0201  [Perfect_0201_Resistor]  124.87 122.71 225 top
R205#10  10k 0201  [Perfect_0201_Resistor]  21.59 122.71 225 top
R206  5k1 0201  [Perfect_0201_Resistor]  88.26 160.56 0 top
R206#2  5k1 0201  [Perfect_0201_Resistor]  21.46 160.56 0 top
R206#3  5k1 0201  [Perfect_0201_Resistor]  100.42 160.56 0 top
R206#4  5k1 0201  [Perfect_0201_Resistor]  33.62 160.56 0 top
R206#5  5k1 0201  [Perfect_0201_Resistor]  112.58 160.56 0 top
R206#6  5k1 0201  [Perfect_0201_Resistor]  57.94 160.56 0 top
R206#7  5k1 0201  [Perfect_0201_Resistor]  9.3 160.56 0 top
R206#8  5k1 0201  [Perfect_0201_Resistor]  76.1 160.56 0 top
R206#9  5k1 0201  [Perfect_0201_Resistor]  45.78 160.56 0 top
R206#10  5k1 0201  [Perfect_0201_Resistor]  124.74 160.56 0 top
R207  5k1 0201  [Perfect_0201_Resistor]  91.82 160.56 0 top
R207#2  5k1 0201  [Perfect_0201_Resistor]  49.34 160.56 0 top
R207#3  5k1 0201  [Perfect_0201_Resistor]  116.14 160.56 0 top
R207#4  5k1 0201  [Perfect_0201_Resistor]  128.3 160.56 0 top
R207#5  5k1 0201  [Perfect_0201_Resistor]  79.66 160.56 0 top
R207#6  5k1 0201  [Perfect_0201_Resistor]  61.5 160.56 0 top
R207#7  5k1 0201  [Perfect_0201_Resistor]  12.86 160.56 0 top
R207#8  5k1 0201  [Perfect_0201_Resistor]  25.02 160.56 0 top
R207#9  5k1 0201  [Perfect_0201_Resistor]  37.18 160.56 0 top
R207#10  5k1 0201  [Perfect_0201_Resistor]  103.98 160.56 0 top
R208  10k 0201  [Perfect_0201_Resistor]  88.77 148.62 90 bottom
R208#2  10k 0201  [Perfect_0201_Resistor]  9.81 148.62 90 bottom
R208#3  10k 0201  [Perfect_0201_Resistor]  113.09 148.62 90 bottom
R208#4  10k 0201  [Perfect_0201_Resistor]  125.25 148.62 90 bottom
R208#5  10k 0201  [Perfect_0201_Resistor]  58.45 148.62 90 bottom
R208#6  10k 0201  [Perfect_0201_Resistor]  21.97 148.62 90 bottom
R208#7  10k 0201  [Perfect_0201_Resistor]  34.13 148.62 90 bottom
R208#8  10k 0201  [Perfect_0201_Resistor]  76.61 148.62 90 bottom
R208#9  10k 0201  [Perfect_0201_Resistor]  46.29 148.62 90 bottom
R208#10  10k 0201  [Perfect_0201_Resistor]  100.93 148.62 90 bottom
R209  1k 0201  [Perfect_0201_Resistor]  126.14 112.05 180 top
R209#2  1k 0201  [Perfect_0201_Resistor]  77.5 112.05 180 top
R209#3  1k 0201  [Perfect_0201_Resistor]  59.34 112.05 180 top